# Altium PCB thermal_cam_sensor_jlc.PcbDoc (part 3 of 5) (continued)
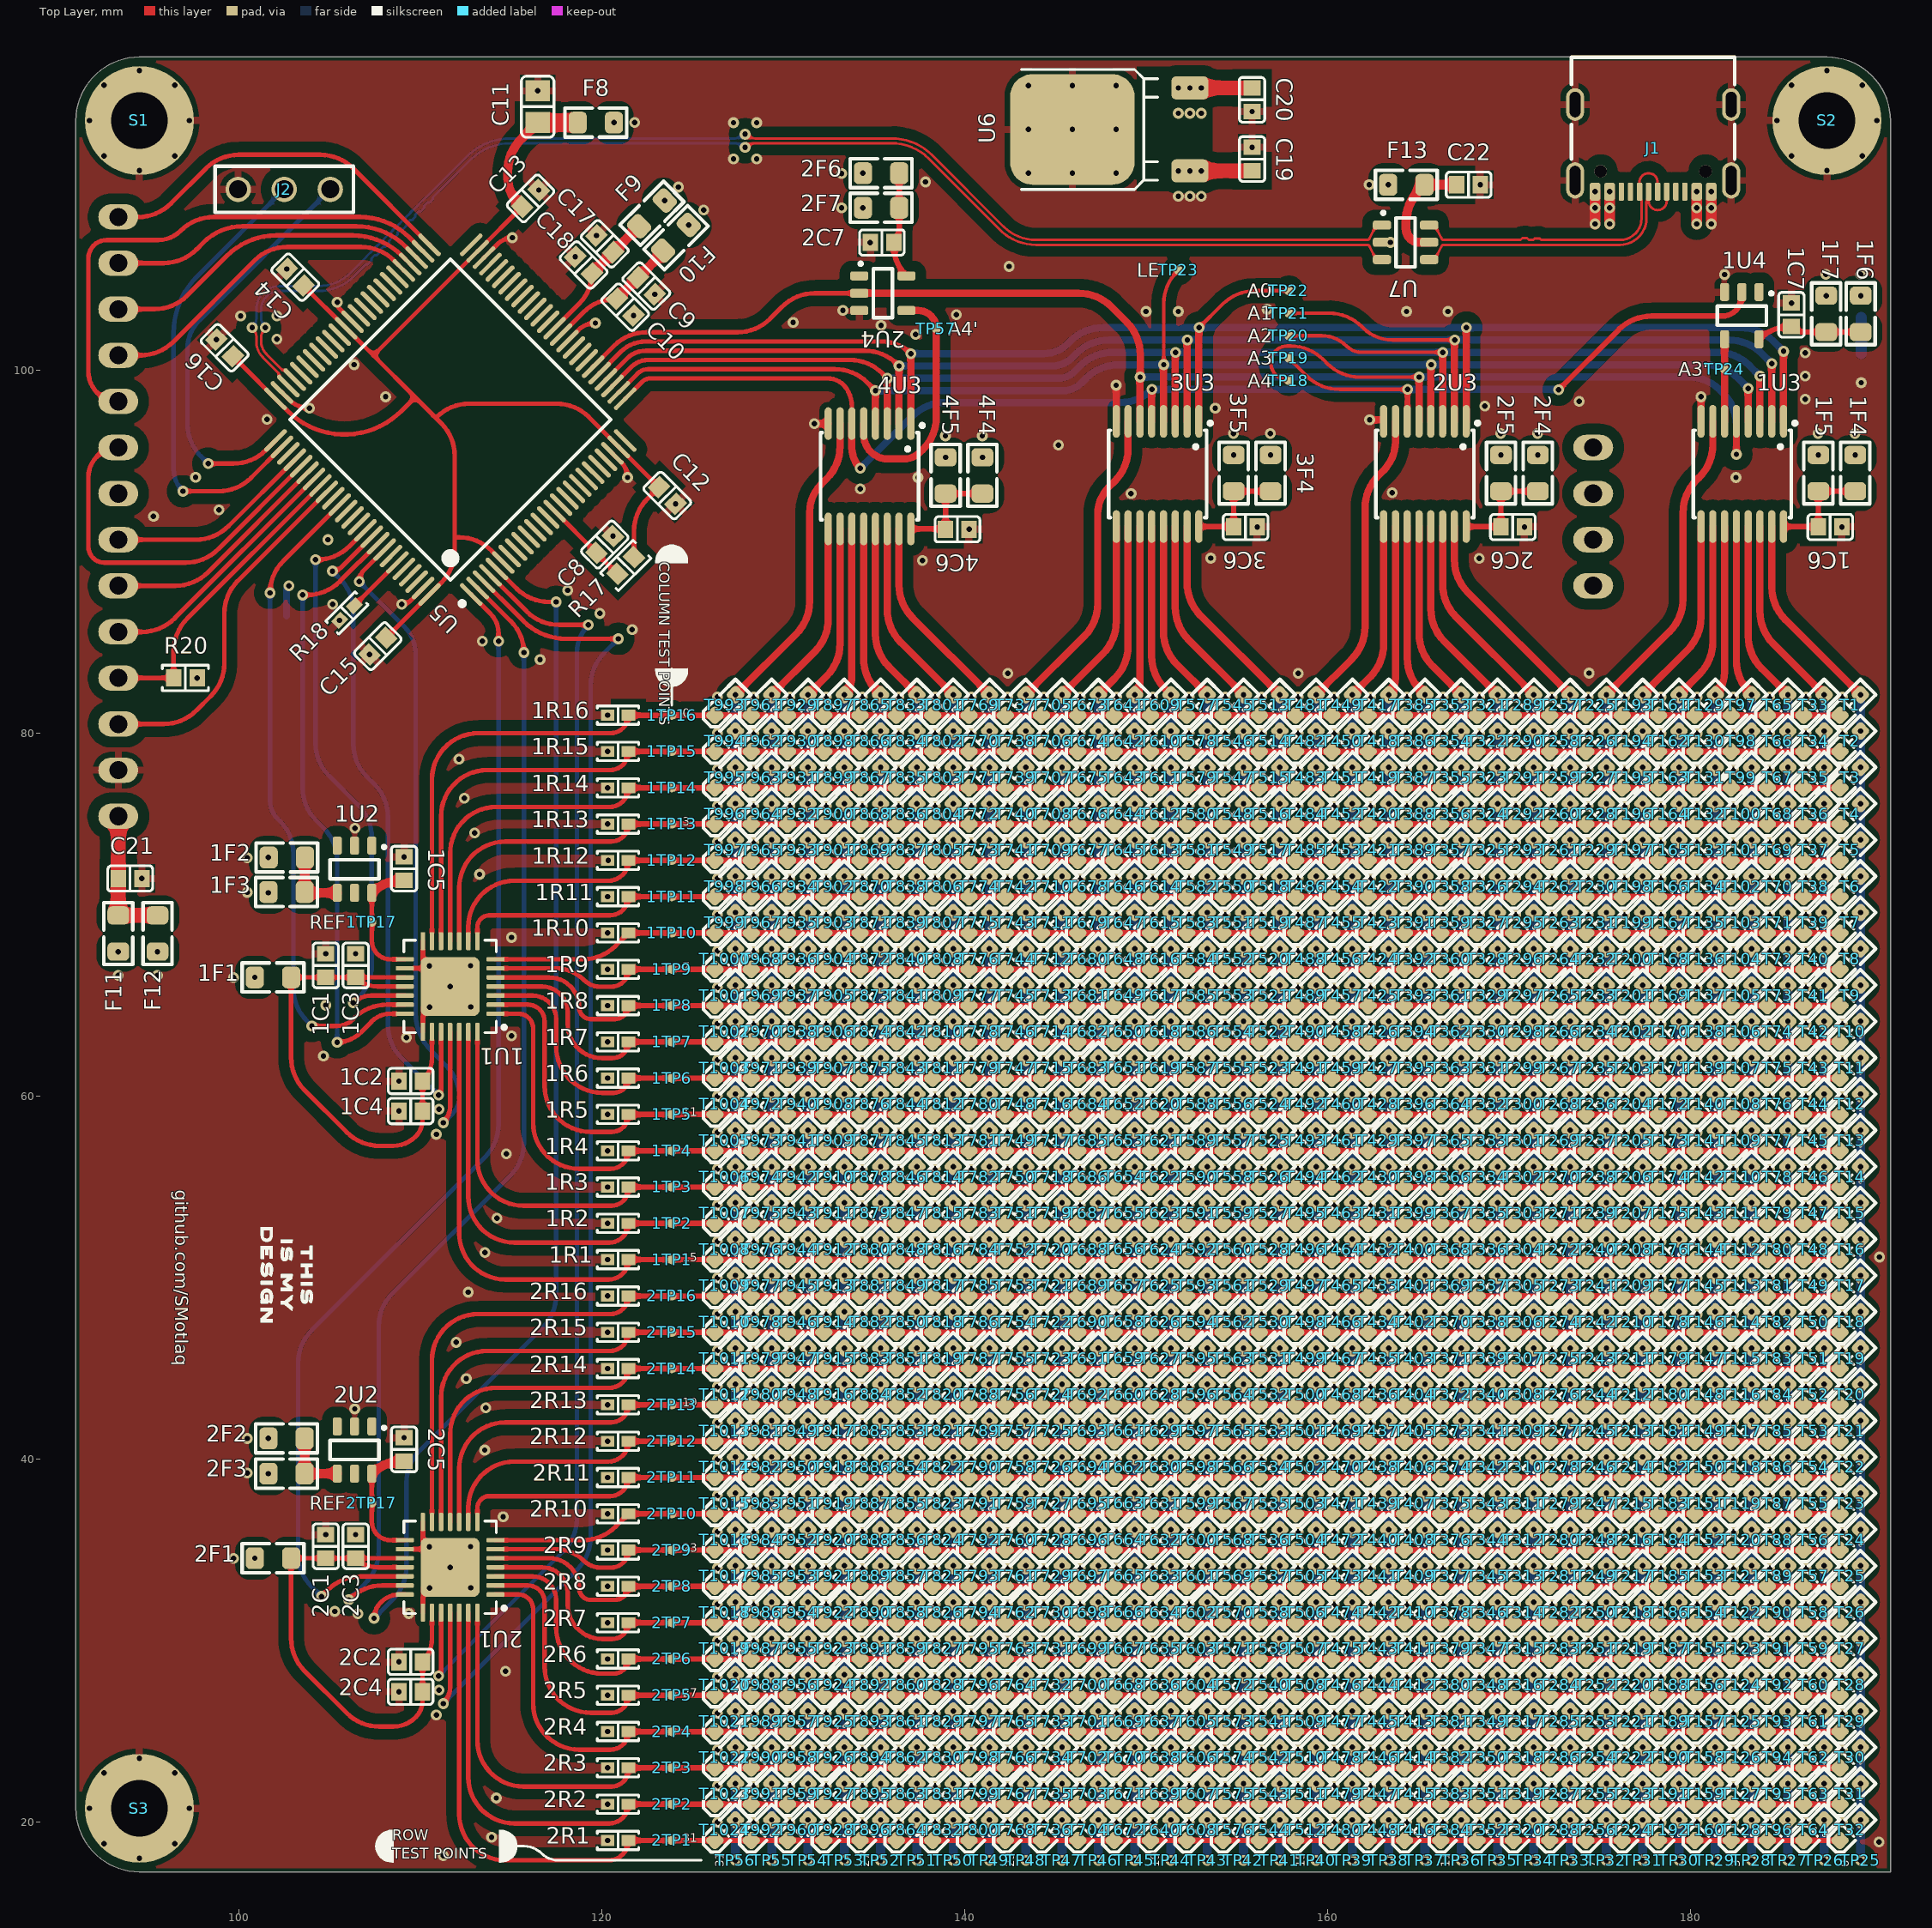
[diagram p0: Top Layer view]
## Free pads (board coordinates)
  round 0.4 on Mech13 mask+0.1: G(126.226,19.002) G(126.226,21.002) G(126.226,23.002) G(126.226,25.002) G(126.226,27.002) G(126.226,29.002) G(126.226,31.002) G(126.226,33.002) G(126.226,35.002) G(126.226,37.002) G(126.226,39.002) G(126.226,41.002) G(126.226,43.002) G(126.226,45.002) G(126.226,47.002) G(126.226,49.002) G(126.226,51.002) G(126.226,53.002) G(126.226,55.002) G(126.226,57.002) G(126.226,59.002) G(126.226,61.002) G(126.226,63.002) G(126.226,65.002) G(126.226,67.002) G(126.226,69.002) G(126.226,71.002) G(126.226,73.002) G(126.226,75.002) G(126.226,77.002) G(126.226,79.002) G(126.226,81.002) G(128.226,19.002) G(128.226,21.002) G(128.226,23.002) G(128.226,25.002) G(128.226,27.002) G(128.226,29.002) G(128.226,31.002) G(128.226,33.002) G(128.226,35.002) G(128.226,37.002) G(128.226,39.002) G(128.226,41.002) G(128.226,43.002) G(128.226,45.002) G(128.226,47.002) G(128.226,49.002) G(128.226,51.002) G(128.226,53.002) G(128.226,55.002) G(128.226,57.002) G(128.226,59.002) G(128.226,61.002) G(128.226,63.002) G(128.226,65.002) G(128.226,67.002) G(128.226,69.002) G(128.226,71.002) G(128.226,73.002) G(128.226,75.002) G(128.226,77.002) G(128.226,79.002) G(128.226,81.002) G(130.226,19.002) G(130.226,21.002) G(130.226,23.002) G(130.226,25.002) G(130.226,27.002) G(130.226,29.002) G(130.226,31.002) G(130.226,33.002) G(130.226,35.002) G(130.226,37.002) G(130.226,39.002) G(130.226,41.002) G(130.226,43.002) G(130.226,45.002) G(130.226,47.002) G(130.226,49.002) G(130.226,51.002) G(130.226,53.002) G(130.226,55.002) G(130.226,57.002) G(130.226,59.002) G(130.226,61.002) G(130.226,63.002) G(130.226,65.002) G(130.226,67.002) G(130.226,69.002) G(130.226,71.002) G(130.226,73.002) G(130.226,75.002) G(130.226,77.002) G(130.226,79.002) G(130.226,81.002) G(132.226,19.002) G(132.226,21.002) G(132.226,23.002) G(132.226,25.002) G(132.226,27.002) G(132.226,29.002) G(132.226,31.002) G(132.226,33.002) G(132.226,35.002) G(132.226,37.002) G(132.226,39.002) G(132.226,41.002) G(132.226,43.002) G(132.226,45.002) G(132.226,47.002) G(132.226,49.002) G(132.226,51.002) G(132.226,53.002) G(132.226,55.002) G(132.226,57.002) G(132.226,59.002) G(132.226,61.002) G(132.226,63.002) G(132.226,65.002) G(132.226,67.002) G(132.226,69.002) G(132.226,71.002) G(132.226,73.002) G(132.226,75.002) G(132.226,77.002) G(132.226,79.002) G(132.226,81.002) G(134.226,19.002) G(134.226,21.002) G(134.226,23.002) G(134.226,25.002) G(134.226,27.002) G(134.226,29.002) G(134.226,31.002) G(134.226,33.002) G(134.226,35.002) G(134.226,37.002) G(134.226,39.002) G(134.226,41.002) G(134.226,43.002) G(134.226,45.002) G(134.226,47.002) G(134.226,49.002) G(134.226,51.002) G(134.226,53.002) G(134.226,55.002) G(134.226,57.002) G(134.226,59.002) G(134.226,61.002) G(134.226,63.002) G(134.226,65.002) G(134.226,67.002) G(134.226,69.002) G(134.226,71.002) G(134.226,73.002) G(134.226,75.002) G(134.226,77.002) G(134.226,79.002) G(134.226,81.002) G(136.226,19.002) G(136.226,21.002) G(136.226,23.002) G(136.226,25.002) G(136.226,27.002) G(136.226,29.002) G(136.226,31.002) G(136.226,33.002) G(136.226,35.002) G(136.226,37.002) G(136.226,39.002) G(136.226,41.002) G(136.226,43.002) G(136.226,45.002) G(136.226,47.002) G(136.226,49.002) G(136.226,51.002) G(136.226,53.002) G(136.226,55.002) G(136.226,57.002) G(136.226,59.002) G(136.226,61.002) G(136.226,63.002) G(136.226,65.002) G(136.226,67.002) G(136.226,69.002) G(136.226,71.002) G(136.226,73.002) G(136.226,75.002) G(136.226,77.002) G(136.226,79.002) G(136.226,81.002) G(138.226,19.002) G(138.226,21.002) G(138.226,23.002) G(138.226,25.002) G(138.226,27.002) G(138.226,29.002) G(138.226,31.002) G(138.226,33.002) G(138.226,35.002) G(138.226,37.002) G(138.226,39.002) G(138.226,41.002) G(138.226,43.002) G(138.226,45.002) G(138.226,47.002) G(138.226,49.002) G(138.226,51.002) G(138.226,53.002) G(138.226,55.002) G(138.226,57.002) G(138.226,59.002) G(138.226,61.002) G(138.226,63.002) G(138.226,65.002) G(138.226,67.002) G(138.226,69.002) G(138.226,71.002) G(138.226,73.002) G(138.226,75.002) G(138.226,77.002) G(138.226,79.002) G(138.226,81.002) G(140.226,19.002) G(140.226,21.002) G(140.226,23.002) G(140.226,25.002) G(140.226,27.002) G(140.226,29.002) G(140.226,31.002) G(140.226,33.002) G(140.226,35.002) G(140.226,37.002) G(140.226,39.002) G(140.226,41.002) G(140.226,43.002) G(140.226,45.002) G(140.226,47.002) G(140.226,49.002) G(140.226,51.002) G(140.226,53.002) G(140.226,55.002) G(140.226,57.002) G(140.226,59.002) G(140.226,61.002) G(140.226,63.002) G(140.226,65.002) G(140.226,67.002) G(140.226,69.002) G(140.226,71.002) G(140.226,73.002) G(140.226,75.002) G(140.226,77.002) G(140.226,79.002) G(140.226,81.002) G(142.226,19.002) G(142.226,21.002) G(142.226,23.002) G(142.226,25.002) G(142.226,27.002) G(142.226,29.002) G(142.226,31.002) G(142.226,33.002) G(142.226,35.002) G(142.226,37.002) G(142.226,39.002) G(142.226,41.002) G(142.226,43.002) G(142.226,45.002) G(142.226,47.002) G(142.226,49.002) G(142.226,51.002) G(142.226,53.002) G(142.226,55.002) G(142.226,57.002) G(142.226,59.002) G(142.226,61.002) G(142.226,63.002) G(142.226,65.002) G(142.226,67.002) G(142.226,69.002) G(142.226,71.002) G(142.226,73.002) G(142.226,75.002) G(142.226,77.002) G(142.226,79.002) G(142.226,81.002) G(144.226,19.002) G(144.226,21.002) G(144.226,23.002) G(144.226,25.002) G(144.226,27.002) G(144.226,29.002) G(144.226,31.002) G(144.226,33.002) G(144.226,35.002) G(144.226,37.002) G(144.226,39.002) G(144.226,41.002) G(144.226,43.002) G(144.226,45.002) G(144.226,47.002) G(144.226,49.002) G(144.226,51.002) G(144.226,53.002) G(144.226,55.002) G(144.226,57.002) G(144.226,59.002) G(144.226,61.002) G(144.226,63.002) G(144.226,65.002) G(144.226,67.002) G(144.226,69.002) G(144.226,71.002) G(144.226,73.002) G(144.226,75.002) G(144.226,77.002) G(144.226,79.002) G(144.226,81.002) G(146.226,19.002) G(146.226,21.002) G(146.226,23.002) G(146.226,25.002) G(146.226,27.002) G(146.226,29.002) G(146.226,31.002) G(146.226,33.002) G(146.226,35.002) G(146.226,37.002) G(146.226,39.002) G(146.226,41.002) G(146.226,43.002) G(146.226,45.002) G(146.226,47.002) G(146.226,49.002) G(146.226,51.002) G(146.226,53.002) G(146.226,55.002) G(146.226,57.002) G(146.226,59.002) G(146.226,61.002) G(146.226,63.002) G(146.226,65.002) G(146.226,67.002) G(146.226,69.002) G(146.226,71.002) G(146.226,73.002) G(146.226,75.002) G(146.226,77.002) G(146.226,79.002) G(146.226,81.002) G(148.226,19.002) G(148.226,21.002) G(148.226,23.002) G(148.226,25.002) G(148.226,27.002) G(148.226,29.002) G(148.226,31.002) G(148.226,33.002) G(148.226,35.002) G(148.226,37.002) G(148.226,39.002) G(148.226,41.002) G(148.226,43.002) G(148.226,45.002) G(148.226,47.002) G(148.226,49.002) G(148.226,51.002) G(148.226,53.002) G(148.226,55.002) G(148.226,57.002) G(148.226,59.002) G(148.226,61.002) G(148.226,63.002) G(148.226,65.002) G(148.226,67.002) G(148.226,69.002) G(148.226,71.002) G(148.226,73.002) G(148.226,75.002) G(148.226,77.002) G(148.226,79.002) G(148.226,81.002) G(150.226,19.002) G(150.226,21.002) G(150.226,23.002) G(150.226,25.002) G(150.226,27.002) G(150.226,29.002) G(150.226,31.002) G(150.226,33.002) G(150.226,35.002) G(150.226,37.002) G(150.226,39.002) G(150.226,41.002) G(150.226,43.002) G(150.226,45.002) G(150.226,47.002) G(150.226,49.002) G(150.226,51.002) G(150.226,53.002) G(150.226,55.002) G(150.226,57.002) G(150.226,59.002) G(150.226,61.002) G(150.226,63.002) G(150.226,65.002) G(150.226,67.002) G(150.226,69.002) G(150.226,71.002) G(150.226,73.002) G(150.226,75.002) G(150.226,77.002) G(150.226,79.002) G(150.226,81.002) G(152.226,19.002) G(152.226,21.002) G(152.226,23.002) G(152.226,25.002) G(152.226,27.002) G(152.226,29.002) G(152.226,31.002) G(152.226,33.002) G(152.226,35.002) G(152.226,37.002) G(152.226,39.002) G(152.226,41.002) G(152.226,43.002) G(152.226,45.002) G(152.226,47.002) G(152.226,49.002) G(152.226,51.002) G(152.226,53.002) G(152.226,55.002) G(152.226,57.002) G(152.226,59.002) G(152.226,61.002) G(152.226,63.002) G(152.226,65.002) G(152.226,67.002) G(152.226,69.002) G(152.226,71.002) G(152.226,73.002) G(152.226,75.002) G(152.226,77.002) G(152.226,79.002) G(152.226,81.002) G(154.226,19.002) G(154.226,21.002) G(154.226,23.002) G(154.226,25.002) G(154.226,27.002) G(154.226,29.002) G(154.226,31.002) G(154.226,33.002) G(154.226,35.002) G(154.226,37.002) G(154.226,39.002) G(154.226,41.002) G(154.226,43.002) G(154.226,45.002) G(154.226,47.002) G(154.226,49.002) G(154.226,51.002) G(154.226,53.002) G(154.226,55.002) G(154.226,57.002) G(154.226,59.002) G(154.226,61.002) G(154.226,63.002) G(154.226,65.002) G(154.226,67.002) G(154.226,69.002) G(154.226,71.002) G(154.226,73.002) G(154.226,75.002) G(154.226,77.002) G(154.226,79.002) G(154.226,81.002) G(156.226,19.002) G(156.226,21.002) G(156.226,23.002) G(156.226,25.002) G(156.226,27.002) G(156.226,29.002) G(156.226,31.002) G(156.226,33.002) G(156.226,35.002) G(156.226,37.002) G(156.226,39.002) G(156.226,41.002) G(156.226,43.002) G(156.226,45.002) G(156.226,47.002) G(156.226,49.002) G(156.226,51.002) G(156.226,53.002) G(156.226,55.002) G(156.226,57.002) G(156.226,59.002) G(156.226,61.002) G(156.226,63.002) G(156.226,65.002) G(156.226,67.002) G(156.226,69.002) G(156.226,71.002) G(156.226,73.002) G(156.226,75.002) G(156.226,77.002) G(156.226,79.002) G(156.226,81.002) G(158.226,19.002) G(158.226,21.002) G(158.226,23.002) G(158.226,25.002) G(158.226,27.002) G(158.226,29.002) G(158.226,31.002) G(158.226,33.002) G(158.226,35.002) G(158.226,37.002) G(158.226,39.002) G(158.226,41.002) G(158.226,43.002) G(158.226,45.002) G(158.226,47.002) G(158.226,49.002) G(158.226,51.002) G(158.226,53.002) G(158.226,55.002) G(158.226,57.002) G(158.226,59.002) G(158.226,61.002) G(158.226,63.002) G(158.226,65.002) G(158.226,67.002) G(158.226,69.002) G(158.226,71.002) G(158.226,73.002) G(158.226,75.002) G(158.226,77.002) G(158.226,79.002) G(158.226,81.002) G(160.226,19.002) G(160.226,21.002) G(160.226,23.002) G(160.226,25.002) G(160.226,27.002) G(160.226,29.002) G(160.226,31.002) G(160.226,33.002) G(160.226,35.002) G(160.226,37.002) G(160.226,39.002) G(160.226,41.002) G(160.226,43.002) G(160.226,45.002) G(160.226,47.002) G(160.226,49.002) G(160.226,51.002) G(160.226,53.002) G(160.226,55.002) G(160.226,57.002) G(160.226,59.002) G(160.226,61.002) G(160.226,63.002) G(160.226,65.002) G(160.226,67.002) G(160.226,69.002) G(160.226,71.002) G(160.226,73.002) G(160.226,75.002) G(160.226,77.002) G(160.226,79.002) G(160.226,81.002) G(162.226,19.002) G(162.226,21.002) G(162.226,23.002) G(162.226,25.002) G(162.226,27.002) G(162.226,29.002) G(162.226,31.002) G(162.226,33.002) G(162.226,35.002) G(162.226,37.002) G(162.226,39.002) G(162.226,41.002) G(162.226,43.002) G(162.226,45.002) G(162.226,47.002) G(162.226,49.002) G(162.226,51.002) G(162.226,53.002) G(162.226,55.002) G(162.226,57.002) G(162.226,59.002) G(162.226,61.002) G(162.226,63.002) G(162.226,65.002) G(162.226,67.002) G(162.226,69.002) G(162.226,71.002) G(162.226,73.002) G(162.226,75.002) G(162.226,77.002) G(162.226,79.002) G(162.226,81.002) G(164.226,19.002) G(164.226,21.002) G(164.226,23.002) G(164.226,25.002) G(164.226,27.002) G(164.226,29.002) G(164.226,31.002) G(164.226,33.002) G(164.226,35.002) G(164.226,37.002) G(164.226,39.002) G(164.226,41.002) G(164.226,43.002) G(164.226,45.002) G(164.226,47.002) G(164.226,49.002) G(164.226,51.002) G(164.226,53.002) G(164.226,55.002) G(164.226,57.002) G(164.226,59.002) G(164.226,61.002) G(164.226,63.002) G(164.226,65.002) G(164.226,67.002) G(164.226,69.002) G(164.226,71.002) G(164.226,73.002) G(164.226,75.002) G(164.226,77.002) G(164.226,79.002) G(164.226,81.002) G(166.226,19.002) G(166.226,21.002) G(166.226,23.002) G(166.226,25.002) G(166.226,27.002) G(166.226,29.002) G(166.226,31.002) G(166.226,33.002) G(166.226,35.002) G(166.226,37.002) G(166.226,39.002) G(166.226,41.002) G(166.226,43.002) G(166.226,45.002) G(166.226,47.002) G(166.226,49.002) G(166.226,51.002) G(166.226,53.002) G(166.226,55.002) G(166.226,57.002) G(166.226,59.002) G(166.226,61.002) G(166.226,63.002) G(166.226,65.002) G(166.226,67.002) G(166.226,69.002) G(166.226,71.002) G(166.226,73.002) G(166.226,75.002) G(166.226,77.002) G(166.226,79.002) G(166.226,81.002) G(168.226,19.002) G(168.226,21.002) G(168.226,23.002) G(168.226,25.002) G(168.226,27.002) G(168.226,29.002) G(168.226,31.002) G(168.226,33.002) G(168.226,35.002) G(168.226,37.002) G(168.226,39.002) G(168.226,41.002) G(168.226,43.002) G(168.226,45.002) G(168.226,47.002) G(168.226,49.002) G(168.226,51.002) G(168.226,53.002) G(168.226,55.002) G(168.226,57.002) G(168.226,59.002) G(168.226,61.002) G(168.226,63.002) G(168.226,65.002) G(168.226,67.002) G(168.226,69.002) G(168.226,71.002) G(168.226,73.002) G(168.226,75.002) G(168.226,77.002) G(168.226,79.002) G(168.226,81.002) G(170.226,19.002) G(170.226,21.002) G(170.226,23.002) G(170.226,25.002) G(170.226,27.002) G(170.226,29.002) G(170.226,31.002) G(170.226,33.002) G(170.226,35.002) G(170.226,37.002) G(170.226,39.002) G(170.226,41.002) G(170.226,43.002) G(170.226,45.002) G(170.226,47.002) G(170.226,49.002) G(170.226,51.002) G(170.226,53.002) G(170.226,55.002) G(170.226,57.002) G(170.226,59.002) G(170.226,61.002) G(170.226,63.002) G(170.226,65.002) G(170.226,67.002) G(170.226,69.002) G(170.226,71.002) G(170.226,73.002) G(170.226,75.002) G(170.226,77.002) G(170.226,79.002) G(170.226,81.002) G(172.226,19.002) G(172.226,21.002) G(172.226,23.002) G(172.226,25.002) G(172.226,27.002) G(172.226,29.002) G(172.226,31.002) G(172.226,33.002) G(172.226,35.002) G(172.226,37.002) G(172.226,39.002) G(172.226,41.002) G(172.226,43.002) G(172.226,45.002) G(172.226,47.002) G(172.226,49.002) G(172.226,51.002) G(172.226,53.002) G(172.226,55.002) G(172.226,57.002) G(172.226,59.002) G(172.226,61.002) G(172.226,63.002) G(172.226,65.002) G(172.226,67.002) G(172.226,69.002) G(172.226,71.002) G(172.226,73.002) G(172.226,75.002) G(172.226,77.002) G(172.226,79.002) G(172.226,81.002) G(174.226,19.002) G(174.226,21.002) G(174.226,23.002) G(174.226,25.002) G(174.226,27.002) G(174.226,29.002) G(174.226,31.002) G(174.226,33.002) G(174.226,35.002) G(174.226,37.002) G(174.226,39.002) G(174.226,41.002) G(174.226,43.002) G(174.226,45.002) G(174.226,47.002) G(174.226,49.002) G(174.226,51.002) G(174.226,53.002) G(174.226,55.002) G(174.226,57.002) G(174.226,59.002) G(174.226,61.002) G(174.226,63.002) G(174.226,65.002) G(174.226,67.002) G(174.226,69.002) G(174.226,71.002) G(174.226,73.002) G(174.226,75.002) G(174.226,77.002) G(174.226,79.002) G(174.226,81.002) G(176.226,19.002) G(176.226,21.002) G(176.226,23.002) G(176.226,25.002) G(176.226,27.002) G(176.226,29.002) G(176.226,31.002) G(176.226,33.002) G(176.226,35.002) G(176.226,37.002) G(176.226,39.002) G(176.226,41.002) G(176.226,43.002) G(176.226,45.002) G(176.226,47.002) G(176.226,49.002) G(176.226,51.002) G(176.226,53.002) G(176.226,55.002) G(176.226,57.002) G(176.226,59.002) G(176.226,61.002) G(176.226,63.002) G(176.226,65.002) G(176.226,67.002) G(176.226,69.002) G(176.226,71.002) G(176.226,73.002) G(176.226,75.002) G(176.226,77.002) G(176.226,79.002) G(176.226,81.002) G(178.226,19.002) G(178.226,21.002) G(178.226,23.002) G(178.226,25.002) G(178.226,27.002) G(178.226,29.002) G(178.226,31.002) G(178.226,33.002) G(178.226,35.002) G(178.226,37.002) G(178.226,39.002) G(178.226,41.002) G(178.226,43.002) G(178.226,45.002) G(178.226,47.002) G(178.226,49.002) G(178.226,51.002) G(178.226,53.002) G(178.226,55.002) G(178.226,57.002) G(178.226,59.002) G(178.226,61.002) G(178.226,63.002) G(178.226,65.002) G(178.226,67.002) G(178.226,69.002) G(178.226,71.002) G(178.226,73.002) G(178.226,75.002) G(178.226,77.002) G(178.226,79.002) G(178.226,81.002) G(180.226,19.002) G(180.226,21.002) G(180.226,23.002) G(180.226,25.002) G(180.226,27.002) G(180.226,29.002) G(180.226,31.002) G(180.226,33.002) G(180.226,35.002) G(180.226,37.002) G(180.226,39.002) G(180.226,41.002) G(180.226,43.002) G(180.226,45.002) G(180.226,47.002) G(180.226,49.002) G(180.226,51.002) G(180.226,53.002) G(180.226,55.002) G(180.226,57.002) G(180.226,59.002) G(180.226,61.002) G(180.226,63.002) G(180.226,65.002) G(180.226,67.002) G(180.226,69.002) G(180.226,71.002) G(180.226,73.002) G(180.226,75.002) G(180.226,77.002) G(180.226,79.002) G(180.226,81.002) G(182.226,19.002) G(182.226,21.002) G(182.226,23.002) G(182.226,25.002) G(182.226,27.002) G(182.226,29.002) G(182.226,31.002) G(182.226,33.002) G(182.226,35.002) G(182.226,37.002) G(182.226,39.002) G(182.226,41.002) G(182.226,43.002) G(182.226,45.002) G(182.226,47.002) G(182.226,49.002) G(182.226,51.002) G(182.226,53.002) G(182.226,55.002) G(182.226,57.002) G(182.226,59.002) G(182.226,61.002) G(182.226,63.002) G(182.226,65.002) G(182.226,67.002) G(182.226,69.002) G(182.226,71.002) G(182.226,73.002) G(182.226,75.002) G(182.226,77.002) G(182.226,79.002) G(182.226,81.002) G(184.226,19.002) G(184.226,21.002) G(184.226,23.002) G(184.226,25.002) G(184.226,27.002) G(184.226,29.002) G(184.226,31.002) G(184.226,33.002) G(184.226,35.002) G(184.226,37.002) G(184.226,39.002) G(184.226,41.002) G(184.226,43.002) G(184.226,45.002) G(184.226,47.002) G(184.226,49.002) G(184.226,51.002) G(184.226,53.002) G(184.226,55.002) G(184.226,57.002) G(184.226,59.002) G(184.226,61.002) G(184.226,63.002) G(184.226,65.002) G(184.226,67.002) G(184.226,69.002) G(184.226,71.002) G(184.226,73.002) G(184.226,75.002) G(184.226,77.002) G(184.226,79.002) G(184.226,81.002) G(186.226,19.002) G(186.226,21.002) G(186.226,23.002) G(186.226,25.002) G(186.226,27.002) G(186.226,29.002) G(186.226,31.002) G(186.226,33.002) G(186.226,35.002) G(186.226,37.002) G(186.226,39.002) G(186.226,41.002) G(186.226,43.002) G(186.226,45.002) G(186.226,47.002) G(186.226,49.002) G(186.226,51.002) G(186.226,53.002) G(186.226,55.002) G(186.226,57.002) G(186.226,59.002) G(186.226,61.002) G(186.226,63.002) G(186.226,65.002) G(186.226,67.002) G(186.226,69.002) G(186.226,71.002) G(186.226,73.002) G(186.226,75.002) G(186.226,77.002) G(186.226,79.002) G(186.226,81.002) G(188.226,19.002) G(188.226,21.002) G(188.226,23.002) G(188.226,25.002) G(188.226,27.002) G(188.226,29.002) G(188.226,31.002) G(188.226,33.002) G(188.226,35.002) G(188.226,37.002) G(188.226,39.002) G(188.226,41.002) G(188.226,43.002) G(188.226,45.002) G(188.226,47.002) G(188.226,49.002) G(188.226,51.002) G(188.226,53.002) G(188.226,55.002) G(188.226,57.002) G(188.226,59.002) G(188.226,61.002) G(188.226,63.002) G(188.226,65.002) G(188.226,67.002) G(188.226,69.002) G(188.226,71.002) G(188.226,73.002) G(188.226,75.002) G(188.226,77.002) G(188.226,79.002) G(188.226,81.002)

## Via types
v1: diameter 0.6, hole 0.3, Top Layer to Bottom Layer, tented both sides, 2382 vias
v2: diameter 0.4, hole 0.3, Top Layer to Bottom Layer, 24 vias

## Nets (pads, with @x,y where several pads share a name; then routed paths per layer and width w, separated by ;. In a path a pad name is that pad's centre, name@x,y a point inside that pad or via, vN(x,y) a via of type N, cw(c..) or ccw(c..) an arc to the next point about the centre after c; other vN are vias at no path point)
1ADC_REF: 1C5.2 1TP17.0 1U1.15 1U2.6 | length 7
  Top Layer w0.25: 1U2.6@107.315,71.218 1TP17.0@107.315,69.596 107.315,68.58 ccw(c108.339,68.58) 108.339,67.556 1U1.15@109.133,67.556 ; 1C5.2@108.957,71.898 1C5.2@109.093,71.898
  Top Layer w0.5: 1U2.6@107.315,71.218 cw(c108.957,69.576) 1C5.2@108.957,71.898
2ADC_REF: 2C5.2 2TP17.0 2U1.15 2U2.6 | length 7
  Top Layer w0.25: 2U2.6@107.315,39.214 2TP17.0@107.315,37.592 107.315,36.576 ccw(c108.339,36.576) 108.339,35.552 2U1.15@109.133,35.552 ; 2C5.2@108.957,39.894 2C5.2@109.093,39.894
  Top Layer w0.5: 2U2.6@107.315,39.214 cw(c108.957,37.572) 2C5.2@108.957,39.894
3V3: 1F1.1 1F2.2 1F4.1 1F6.1 2F1.1 2F2.2 2F4.1 2F6.1 3F4.1 4F4.1 C20.2 F8.2 F9.2 F10.2 F11.1 F13.1 LCD1.8 R19.1 R20.2 U6.3 | length 3.4
  Top Layer w0.8: v1(152.4,115.57) C20.2@155.829,115.57
  other v1: 100.87,34.556 101.616,41.16 100.87,66.56 93.345,67.977 101.616,73.164 97.693,83.058 140.97,95.218 156.845,95.345 171.577,95.345 189.067,95.345 189.372,104.12 124.786,108.022 123.461,109.364 163.33,110.236 134.382,110.871 120.661,113.658 151.765,115.57 153.035,115.57
3V3_AMCU: C17.2 C18.2 F9.1 U5.37 | length 7.4
  Top Layer w0.25: U5.37@117.391,102.329 118.762,103.701 ccw(c117.113,105.35) C18.2@119.445,105.35 ; C17.2@120.612,106.517 C17.2@120.614,106.517
  Top Layer w0.5: C18.2@119.445,105.35 C17.2@120.612,106.517 ; C17.2@120.614,106.517 F9.1@122.047,107.95
3V3_ESD: C22.2 F13.2 U7.5 | length 6.2
  Top Layer w0.5: U7.5@165.584,107.061 165.076,107.061 cw(c165.076,107.823) 164.314,107.823 164.314,108.168 cw(c166.854,108.168) 165.058,109.964 F13.2@165.33,110.236 C22.2@167.108,110.236
3V3_MCU: C11.2 C12.2 C13.2 C14.2 C15.2 C16.2 F8.1 R17.2 U5.6 U5.24 U5.49 U5.64 U5.75 U5.100 | length 77.5
  Top Layer w0.25: C16.2@99.664,100.787 102.506,97.944 102.68,97.771 ccw(c105.813,100.91) 108.952,97.776 109.702,98.526 ; C14.2@103.553,104.676 U5.64@105.9,102.329 106.541,101.688 107.403,100.826 ; C15.2@108.109,85.27 U5.100@110.496,87.656 111.143,88.304 ccw(c109.347,90.1) 111.887,90.1 111.887,90.805 ; U5.6@114.562,89.424 113.925,90.061 ccw(c112.129,88.265) 112.129,90.805 111.887,90.805 ; C13.2@115.6,109.024 U5.49@113.148,106.572 107.403,100.826 ; R17.2@121.769,89.713 121.769,91.148 cw(c124.309,91.148) 122.513,92.944 C12.2@123.141,93.573 U5.24@120.926,95.788 119.287,97.427 ccw(c117.491,95.631) 117.491,98.171 112.685,98.171 ccw(c112.685,95.631) 110.889,97.427 110.845,97.383 ; 107.403,100.826 109.702,98.526 ; 109.702,98.526 110.845,97.383 ; 110.845,97.383 111.143,97.086 cw(c109.347,95.29) 111.887,95.29 111.887,90.805
  Top Layer w0.5: C13.2@115.6,109.024 115.374,109.251 cw(c116.74,110.617) 114.808,110.617 114.808,110.962 cw(c117.348,110.962) 115.552,112.758 C11.2@116.459,113.665 C11.2@116.466,113.658
  Top Layer w1: C11.2@116.466,113.658 F8.1@118.661,113.658
3V3_RMCU: C9.2 C10.2 F10.1 U5.36 | length 7.5
  Top Layer w0.25: U5.36@117.744,101.976 118.977,103.209 cw(c120.773,101.413) 120.773,103.953 C10.2@120.82,103.953 ; F10.1@123.299,106.431 ccw(c123.122,106.608) F10.1@123.372,106.608
  Top Layer w0.5: C10.2@120.82,103.953 C9.2@121.988,105.12 F10.1@123.299,106.431
5V: 1F3.2 1F5.1 1F7.1 2F3.2 2F5.1 2F7.1 3F5.1 4F5.1 C19.2 F12.1 J1.A4B9 J1.B4A9 U6.1 | length 7
  Top Layer w0.6: v1(175.531,108.077) v1(175.531,109.855) ; v1(180.331,108.077) v1(180.331,109.855)
  Top Layer w0.8: v1(152.4,110.998) C19.2@155.829,110.998
  other v1: 101.616,39.214 95.504,67.977 101.616,71.218 138.938,95.218 154.813,95.345 169.545,95.345 187.035,95.345 187.467,104.12 134.382,108.966 175.531,108.966 180.331,108.966 151.765,110.998 153.035,110.998
13V3_ADC: 1C1.2 1C2.2 1C3.2 1C4.2 1F1.2 1U1.17 1U1.18 1U1.23 | length 28.9
  Top Layer w0.25: 1U1.18@109.133,66.056 107.643,66.056 cw(c107.643,67.776) 1C3.2@106.426,66.56 ; 1U1.17@109.133,66.556 109.129,66.56 1C3.2@106.426,66.56 ; 1U1.23@110.633,63.556 110.633,62.11 cw(c108.844,62.11) 1C2.2@110.109,60.845 1C4.2@110.109,59.194 110.109,58.705 cw(c108.808,58.705) 109.728,57.785 cw(c108.502,59.011) 108.502,57.277 107.732,57.277 cw(c107.732,59.817) 105.936,58.021 103.614,60.343 cw(c105.41,62.139) 102.87,62.139 1F1.2@102.87,66.56 1C1.2@104.775,66.56 1C3.2@106.426,66.56
23V3_ADC: 2C1.2 2C2.2 2C3.2 2C4.2 2F1.2 2U1.17 2U1.18 2U1.23 | length 28.9
  Top Layer w0.25: 2U1.18@109.133,34.052 107.643,34.052 cw(c107.643,35.772) 2C3.2@106.426,34.556 ; 2U1.17@109.133,34.552 109.129,34.556 2C3.2@106.426,34.556 ; 2U1.23@110.633,31.552 110.633,30.106 cw(c108.844,30.106) 2C2.2@110.109,28.841 2C4.2@110.109,27.19 110.109,26.701 cw(c108.808,26.701) 109.728,25.781 cw(c108.502,27.007) 108.502,25.273 107.732,25.273 cw(c107.732,27.813) 105.936,26.017 103.614,28.339 cw(c105.41,30.135) 102.87,30.135 2F1.2@102.87,34.556 2C1.2@104.775,34.556 2C3.2@106.426,34.556
A0: 1U3.1 2U3.1 3U3.1 4U3.1 TP22.0 U5.30 | length 90.6
  Top Layer w0.2: v1(152.913,102.363) 154.201,103.65 cw(c155.997,101.854) 155.997,104.394 TP22.0@157.861,104.394
  Top Layer w0.25: U5.30@119.866,99.854 121.033,101.022 cw(c122.428,99.628) 122.428,101.6 135.406,101.6 cw(c135.406,99.314) v1(137.022,100.93)
  Top Layer w0.4: 4U3.1@137.022,97.071 v1(137.022,100.93) ; 3U3.1@152.897,97.198 152.897,102.324 cw(c152.952,102.324) v1(152.913,102.363) ; 2U3.1@167.629,97.198 167.629,102.324 cw(c167.684,102.324) v1(167.645,102.363) ; 1U3.1@185.119,97.198 v1(185.119,101.057)
  Bottom Layer w0.4: v1(137.022,100.93) 144.359,100.93 ccw(c144.359,102.783) 145.669,101.473 145.815,101.619 cw(c147.611,99.823) 147.611,102.363 v1(152.913,102.363) v1(167.645,102.363) 182.762,102.363 cw(c182.762,99.823) 184.558,101.619 v1(185.119,101.057)
A1: 1U3.2 2U3.2 3U3.2 4U3.2 TP21.0 U5.29 | length 90.8
  Top Layer w0.2: TP21.0@157.861,103.156 160.079,103.156 cw(c160.079,100.616) 161.875,102.412 161.925,102.362 ccw(c163.568,104.005) 163.568,101.681 v1(166.995,101.681)
  Top Layer w0.25: U5.29@120.219,99.501 121.373,100.655 cw(c122.428,99.601) 122.428,101.092 134.477,101.092 cw(c134.477,98.552) 136.273,100.348 v1(136.372,100.249)
  Top Layer w0.4: 4U3.2@136.372,97.071 v1(136.372,100.249) ; 3U3.2@152.247,97.198 152.247,101.642 cw(c152.302,101.642) v1(152.263,101.681) ; 2U3.2@166.979,97.198 166.979,101.642 cw(c167.034,101.642) v1(166.995,101.681) ; 1U3.2@184.469,97.198 v1(184.469,100.376)
  Bottom Layer w0.4: v1(136.372,100.249) 144.808,100.249 ccw(c144.808,101.826) 145.923,100.711 146.149,100.937 cw(c147.945,99.141) 147.945,101.681 v1(152.263,101.681) v1(166.995,101.681) 182.112,101.681 cw(c182.112,99.141) 183.908,100.937 v1(184.469,100.376)
A2: 1U3.3 2U3.3 3U3.3 4U3.3 TP20.0 U5.28 | length 86.3
  Top Layer w0.2: TP20.0@157.861,101.917 159.656,101.917 cw(c159.656,99.966) 161.036,101.346 ccw(c161.871,102.181) 161.871,101 v1(166.345,101)
  Top Layer w0.25: U5.28@120.573,99.147 121.623,100.198 cw(c122.555,99.267) 122.555,100.584 133.654,100.584 cw(c133.654,98.044) 135.45,99.84 ; 135.45,99.84 v1(135.722,99.568)
  Top Layer w0.4: 4U3.3@135.722,97.071 v1(135.722,99.568) ; 3U3.3@151.597,97.198 151.597,100.961 cw(c151.652,100.961) v1(151.613,101) ; 2U3.3@166.329,97.198 166.329,100.961 cw(c166.384,100.961) v1(166.345,101) ; 1U3.3@183.819,97.198 v1(183.819,99.695)
  Bottom Layer w0.4: v1(135.722,99.568) 145.13,99.568 ccw(c145.13,100.869) 146.05,99.949 146.357,100.256 cw(c148.153,98.46) 148.153,101 v1(151.613,101) v1(166.345,101) 181.462,101 cw(c181.462,98.46) 183.258,100.256 v1(183.819,99.695)
A3: 1U4.2 2U3.6 3U3.5 4U3.6 TP19.0 U5.26 | length 80.7
  Top Layer w0.2: TP19.0@157.861,100.679 158.84,99.7 ccw(c160.636,101.496) 160.636,98.956 v1(164.395,98.956)
  Top Layer w0.25: U5.26@121.28,98.44 122.213,99.374 cw(c122.682,98.905) 122.682,99.568 132.413,99.568 cw(c132.413,98.251) 133.344,99.182 cw(c131.932,98.003) 133.772,98.003 4U3.6@133.772,97.071
  Top Layer w0.3: v1@150.297,98.918 cw(c150.352,98.918) v1(150.313,98.956) ; 2U3.6@164.379,97.198 ccw(c164.34,97.237) 164.395,97.237 v1(164.395,98.956) ; v1(172.72,98.933) 176.04,102.253 cw(c177.836,100.457) 177.836,102.997 181.737,102.997 ccw(c181.737,104.079) 182.819,104.079 1U4.2@182.819,104.323
  Top Layer w0.4: 4U3.6@133.772,97.071 133.772,95.742 ccw(c135.366,95.742) v1(134.239,94.615) ; 3U3.5@150.297,97.198 v1@150.297,98.918
  Bottom Layer w0.4: v1(134.239,94.615) 137.113,97.489 cw(c138.909,95.693) 138.909,98.233 148.566,98.233 ccw(c148.566,100.704) v1(150.313,98.956) v1(164.395,98.956) 172.664,98.956 cw(c172.664,98.877) v1(172.72,98.933)
A4: 1U3.5 2U3.5 2U4.2 3U3.6 TP18.0 U5.31 | length 88
  Top Layer w0.2: TP18.0@157.861,99.441 cw(c157.861,100.442) 156.86,100.442 cw(c157.765,100.442) 157.765,101.346 157.952,101.346 cw(c157.952,98.806) 159.748,100.602 159.968,100.382 ccw(c161.764,102.178) 161.764,99.638 v1(165.045,99.638)
  Top Layer w0.25: U5.31@119.512,100.208 120.668,101.364 cw(c122.464,99.568) 122.464,102.108 127.472,102.108 ccw(c127.472,104.648) 129.268,102.852 129.929,103.513 cw(c131.725,101.717) 131.725,104.257 2U4.2@134.179,104.257
  Top Layer w0.4: 2U4.2@134.179,104.257 146.278,104.257 cw(c146.278,101.717) 148.074,103.513 148.919,102.668 cw(c147.123,100.872) 149.663,100.872 v1(149.663,99.638) ccw(c149.702,99.599) 149.647,99.599 3U3.6@149.647,97.198 ; 2U3.5@165.029,97.198 165.029,99.599 cw(c165.084,99.599) v1(165.045,99.638) ; v1(182.519,95.382) 1U3.5@182.519,97.198
  Bottom Layer w0.4: v1(149.663,99.638) v1(165.045,99.638) 179.909,99.638 cw(c179.909,97.232) 181.61,98.933 181.775,98.768 cw(c179.979,96.972) 182.519,96.972 v1(182.519,95.382)
COL0: 1R16.2 1TP16.0 1U1.13 T1.2 T33.2 T65.2 T97.2 T129.2 T161.2 T193.2 T225.2 T257.2 T289.2 T321.2 T353.2 T385.2 T417.2 T449.2 T481.2 T513.2 T545.2 T577.2 T609.2 T641.2 T673.2 T705.2 T737.2 T769.2 T801.2 T833.2 T865.2 T897.2 T929.2 T961.2 T993.2 | length 88.5
  Top Layer w0.25: 1U1.13@110.633,68.556 110.633,77.47 cw(c113.173,77.47) 113.173,80.01 120.466,80.01 ccw(c120.466,81.006) 1R16.2@121.462,81.006
  Top Layer w0.3: 1R16.2@121.462,81.006 121.466,81.002 T993.2@126.226,81.002 T1.2@188.226,81.002
COL1: 1R15.2 1TP15.0 1U1.12 T2.2 T34.2 T66.2 T98.2 T130.2 T162.2 T194.2 T226.2 T258.2 T290.2 T322.2 T354.2 T386.2 T418.2 T450.2 T482.2 T514.2 T546.2 T578.2 T610.2 T642.2 T674.2 T706.2 T738.2 T770.2 T802.2 T834.2 T866.2 T898.2 T930.2 T962.2 T994.2 | length 86
  Top Layer w0.25: 1U1.12@111.133,68.556 111.133,75.438 cw(c113.673,75.438) 113.673,77.978 120.434,77.978 ccw(c120.434,79.006) 1R15.2@121.462,79.006
  Top Layer w0.3: 1R15.2@121.462,79.006 126.222,79.006 T994.2@126.226,79.002 T2.2@188.226,79.002
COL2: 1R14.2 1TP14.0 1U1.11 T3.2 T35.2 T67.2 T99.2 T131.2 T163.2 T195.2 T227.2 T259.2 T291.2 T323.2 T355.2 T387.2 T419.2 T451.2 T483.2 T515.2 T547.2 T579.2 T611.2 T643.2 T675.2 T707.2 T739.2 T771.2 T803.2 T835.2 T867.2 T899.2 T931.2 T963.2 T995.2 | length 83.5
  Top Layer w0.25: 1U1.11@111.633,68.556 111.633,73.406 cw(c114.173,73.406) 114.173,75.946 120.402,75.946 ccw(c120.402,77.006) 1R14.2@121.462,77.006
  Top Layer w0.3: 1R14.2@121.462,77.006 126.222,77.006 T995.2@126.226,77.002 T3.2@188.226,77.002
COL3: 1R13.2 1TP13.0 1U1.10 T4.2 T36.2 T68.2 T100.2 T132.2 T164.2 T196.2 T228.2 T260.2 T292.2 T324.2 T356.2 T388.2 T420.2 T452.2 T484.2 T516.2 T548.2 T580.2 T612.2 T644.2 T676.2 T708.2 T740.2 T772.2 T804.2 T836.2 T868.2 T900.2 T932.2 T964.2 T996.2 | length 81
  Top Layer w0.25: 1U1.10@112.133,68.556 112.133,71.501 cw(c114.673,71.501) 114.673,74.041 120.497,74.041 ccw(c120.497,75.006) 1R13.2@121.462,75.006
  Top Layer w0.3: 1R13.2@121.462,75.006 126.222,75.006 T996.2@126.226,75.002 T36.2@186.226,75.002 T4.2@188.226,75.002
COL4: 1R12.2 1TP12.0 1U1.9 T5.2 T37.2 T69.2 T101.2 T133.2 T165.2 T197.2 T229.2 T261.2 T293.2 T325.2 T357.2 T389.2 T421.2 T453.2 T485.2 T517.2 T549.2 T581.2 T613.2 T645.2 T677.2 T709.2 T741.2 T773.2 T805.2 T837.2 T869.2 T901.2 T933.2 T965.2 T997.2 | length 78.5
  Top Layer w0.25: 1U1.9@112.633,68.556 112.633,69.342 cw(c115.173,69.342) 115.173,71.882 120.346,71.882 ccw(c120.346,73.002) 1R12.2@121.466,73.002
  Top Layer w0.3: 1R12.2@121.466,73.002 T5.2@188.226,73.002 ; T997.2@126.222,73.006 T997.2@126.226,73.002
COL5: 1R11.2 1TP11.0 1U1.8 T6.2 T38.2 T70.2 T102.2 T134.2 T166.2 T198.2 T230.2 T262.2 T294.2 T326.2 T358.2 T390.2 T422.2 T454.2 T486.2 T518.2 T550.2 T582.2 T614.2 T646.2 T678.2 T710.2 T742.2 T774.2 T806.2 T838.2 T870.2 T902.2 T934.2 T966.2 T998.2 | length 76.8
  Top Layer w0.25: 1U1.8@113.133,68.556 113.133,69.318 cw(c113.792,69.318) 113.792,69.977 120.433,69.977 ccw(c120.433,71.006) 1R11.2@121.462,71.006
  Top Layer w0.3: 1R11.2@121.462,71.006 T998.2@126.222,71.006 ; T6.2@188.226,71.002 T998.2@126.226,71.002 ; T998.2@126.222,71.006 T998.2@126.226,71.002 ; T998.2@126.222,71.006 T998.2@126.226,71.002
COL6: 1R10.2 1TP10.0 1U1.7 T7.2 T39.2 T71.2 T103.2 T135.2 T167.2 T199.2 T231.2 T263.2 T295.2 T327.2 T359.2 T391.2 T423.2 T455.2 T487.2 T519.2 T551.2 T583.2 T615.2 T647.2 T679.2 T711.2 T743.2 T775.2 T807.2 T839.2 T871.2 T903.2 T935.2 T967.2 T999.2 | length 74.6
  Top Layer w0.25: 1U1.7@114.133,67.556 118.96,67.556 ccw(c118.96,70.096) 120.756,68.3 1R10.2@121.462,69.006
  Top Layer w0.3: 1R10.2@121.462,69.006 126.222,69.006 T999.2@126.226,69.002 T7.2@188.226,69.002